# KiCad board panel.kicad_pcb (continued)
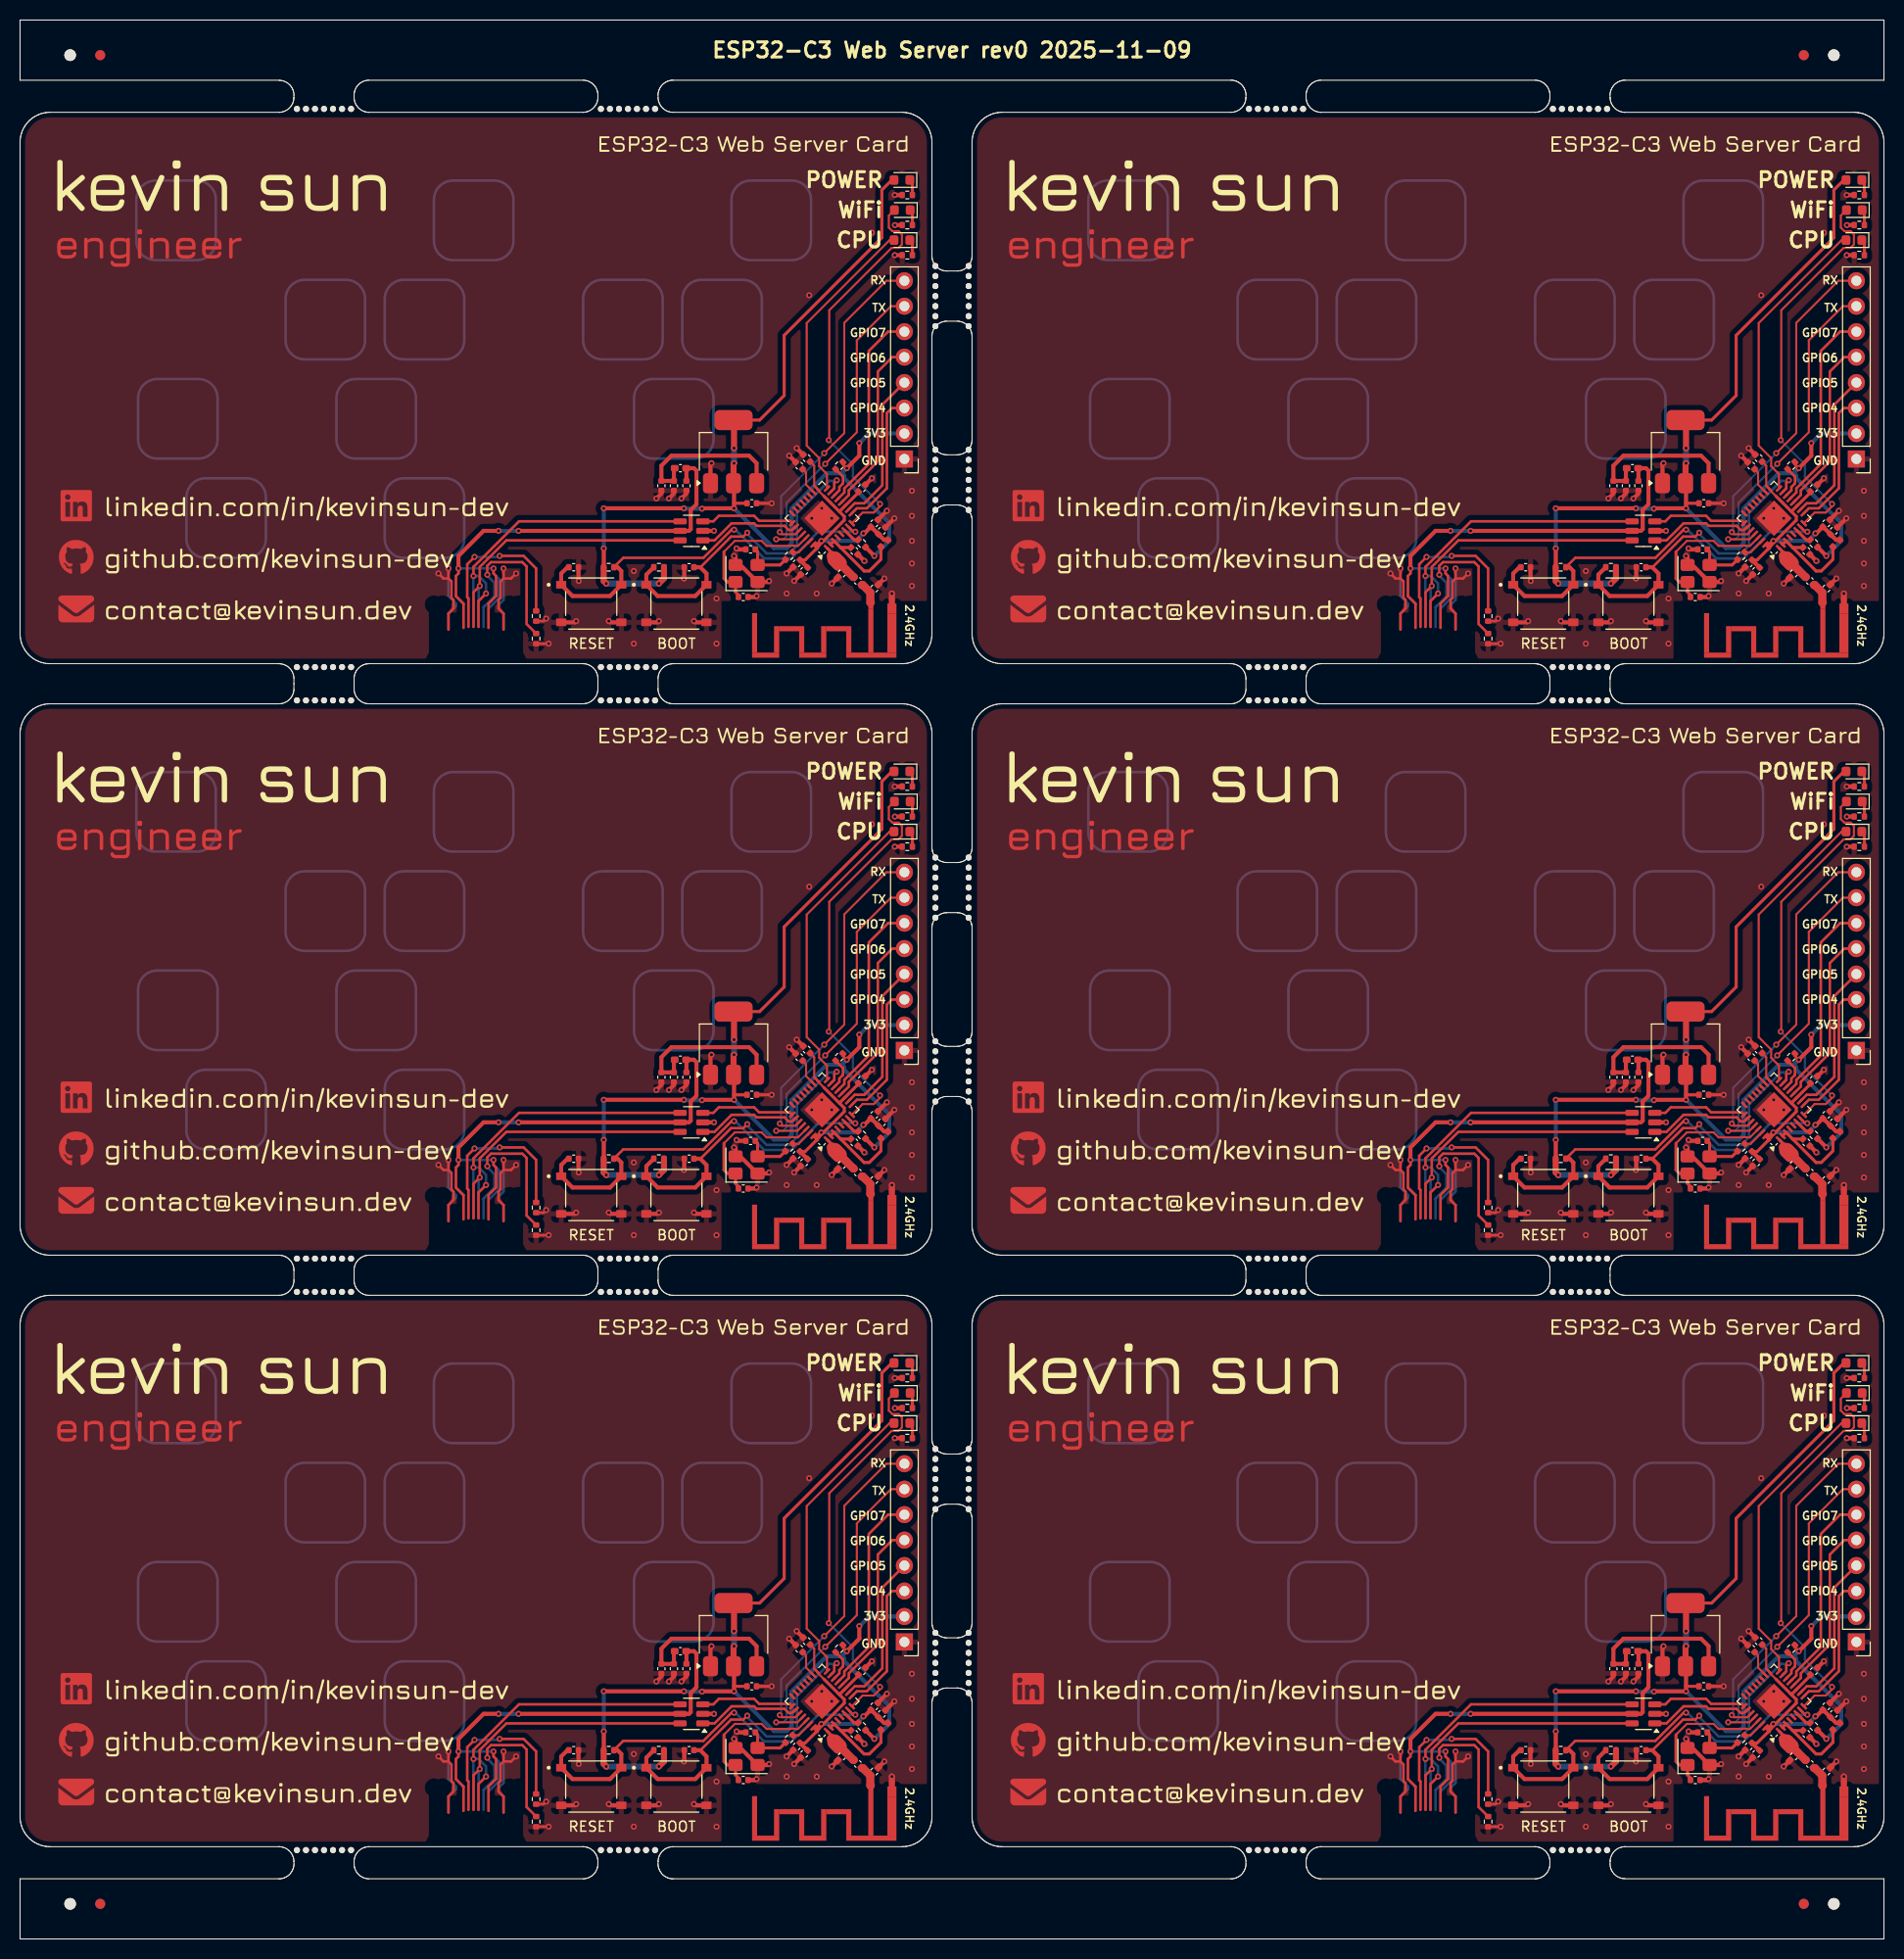
[diagram p0: board, top side]
## Placement (name value [footprint] x y rotation side) (continued)
KiKit_MB_31_7  -  [NPTH]  94.66 47.87 0 top
KiKit_MB_31_8  -  [NPTH]  94.66 48.87 0 top
KiKit_MB_32_2  -  [NPTH]  94.66 24.53 0 top
KiKit_MB_32_3  -  [NPTH]  94.66 25.53 0 top
KiKit_MB_32_4  -  [NPTH]  94.66 26.54 0 top
KiKit_MB_32_5  -  [NPTH]  94.66 27.54 0 top
KiKit_MB_32_6  -  [NPTH]  94.66 28.54 0 top
KiKit_MB_32_7  -  [NPTH]  94.66 29.54 0 top
KiKit_MB_32_8  -  [NPTH]  94.66 30.54 0 top
KiKit_MB_33_3  -  [NPTH]  122.63 64.54 0 top
KiKit_MB_33_4  -  [NPTH]  123.53 64.54 0 top
KiKit_MB_33_5  -  [NPTH]  124.43 64.54 0 top
KiKit_MB_33_6  -  [NPTH]  125.33 64.54 0 top
KiKit_MB_33_7  -  [NPTH]  126.23 64.54 0 top
KiKit_MB_33_8  -  [NPTH]  127.13 64.54 0 top
KiKit_MB_33_9  -  [NPTH]  128.03 64.54 0 top
KiKit_MB_34_3  -  [NPTH]  152.97 64.54 0 top
KiKit_MB_34_4  -  [NPTH]  153.87 64.54 0 top
KiKit_MB_34_5  -  [NPTH]  154.77 64.54 0 top
KiKit_MB_34_6  -  [NPTH]  155.67 64.54 0 top
KiKit_MB_34_7  -  [NPTH]  156.57 64.54 0 top
KiKit_MB_34_8  -  [NPTH]  157.47 64.54 0 top
KiKit_MB_34_9  -  [NPTH]  158.37 64.54 0 top
KiKit_MB_35_3  -  [NPTH]  128.03 8.86 0 top
KiKit_MB_35_4  -  [NPTH]  127.13 8.86 0 top
KiKit_MB_35_5  -  [NPTH]  126.23 8.86 0 top
KiKit_MB_35_6  -  [NPTH]  125.33 8.86 0 top
KiKit_MB_35_7  -  [NPTH]  124.43 8.86 0 top
KiKit_MB_35_8  -  [NPTH]  123.53 8.86 0 top
KiKit_MB_35_9  -  [NPTH]  122.63 8.86 0 top
KiKit_MB_36_3  -  [NPTH]  158.37 8.86 0 top
KiKit_MB_36_4  -  [NPTH]  157.47 8.86 0 top
KiKit_MB_36_5  -  [NPTH]  156.57 8.86 0 top
KiKit_MB_36_6  -  [NPTH]  155.67 8.86 0 top
KiKit_MB_36_7  -  [NPTH]  154.77 8.86 0 top
KiKit_MB_36_8  -  [NPTH]  153.87 8.86 0 top
KiKit_MB_36_9  -  [NPTH]  152.97 8.86 0 top
KiKit_TO_1  -  [NPTH#2]  5 187.9 0 top
KiKit_TO_2  -  [NPTH#2]  181 187.9 0 top
KiKit_TO_3  -  [NPTH#2]  5 3.5 0 top
KiKit_TO_4  -  [NPTH#2]  181 3.5 0 top
L1  2.4nH  [L_0402_1005Metric]  86.25 80.2 225 top
L1#2  2.4nH  [L_0402_1005Metric]  181.25 139.2 225 top
L1#3  2.4nH  [L_0402_1005Metric]  181.25 21.2 225 top
L1#4  2.4nH  [L_0402_1005Metric]  181.25 80.2 225 top
L1#5  2.4nH  [L_0402_1005Metric]  86.25 21.2 225 top
L1#6  2.4nH  [L_0402_1005Metric]  86.25 139.2 225 top
L2  2.4nH  [L_0402_1005Metric_Pad0.77x0.64mm_HandSolder]  83.6 135.45 315 top
L2#2  2.4nH  [L_0402_1005Metric_Pad0.77x0.64mm_HandSolder]  83.6 76.45 315 top
L2#3  2.4nH  [L_0402_1005Metric_Pad0.77x0.64mm_HandSolder]  83.6 17.45 315 top
L2#4  2.4nH  [L_0402_1005Metric_Pad0.77x0.64mm_HandSolder]  178.6 135.45 315 top
L2#5  2.4nH  [L_0402_1005Metric_Pad0.77x0.64mm_HandSolder]  178.6 17.45 315 top
L2#6  2.4nH  [L_0402_1005Metric_Pad0.77x0.64mm_HandSolder]  178.6 76.45 315 top
L3  2.4nH  [L_0402_1005Metric_Pad0.77x0.64mm_HandSolder]  160.9 146.7 180 top
L3#2  2.4nH  [L_0402_1005Metric_Pad0.77x0.64mm_HandSolder]  65.9 87.7 180 top
L3#3  2.4nH  [L_0402_1005Metric_Pad0.77x0.64mm_HandSolder]  65.9 146.7 180 top
L3#4  2.4nH  [L_0402_1005Metric_Pad0.77x0.64mm_HandSolder]  160.9 87.7 180 top
L3#5  2.4nH  [L_0402_1005Metric_Pad0.77x0.64mm_HandSolder]  65.9 28.7 180 top
L3#6  2.4nH  [L_0402_1005Metric_Pad0.77x0.64mm_HandSolder]  160.9 28.7 180 top
R1  5k1  [R_0402_1005Metric]  146.5 131.95 90 top
R1#2  5k1  [R_0402_1005Metric]  146.5 13.95 90 top
R1#3  5k1  [R_0402_1005Metric]  51.5 72.95 90 top
R1#4  5k1  [R_0402_1005Metric]  146.5 72.95 90 top
R1#5  5k1  [R_0402_1005Metric]  51.5 131.95 90 top
R1#6  5k1  [R_0402_1005Metric]  51.5 13.95 90 top
R2  5k1  [R_0402_1005Metric]  146.5 70.7 270 top
R2#2  5k1  [R_0402_1005Metric]  51.5 11.7 270 top
R2#3  5k1  [R_0402_1005Metric]  146.5 129.7 270 top
R2#4  5k1  [R_0402_1005Metric]  51.5 70.7 270 top
R2#5  5k1  [R_0402_1005Metric]  146.5 11.7 270 top
R2#6  5k1  [R_0402_1005Metric]  51.5 129.7 270 top
R3  5k1  [R_0402_1005Metric]  153.75 18.83 0 top
R3#2  5k1  [R_0402_1005Metric]  58.75 77.83 0 top
R3#3  5k1  [R_0402_1005Metric]  58.75 136.83 0 top
R3#4  5k1  [R_0402_1005Metric]  58.75 18.83 0 top
R3#5  5k1  [R_0402_1005Metric]  153.75 77.83 0 top
R3#6  5k1  [R_0402_1005Metric]  153.75 136.83 0 top
R4  5k1  [R_0402_1005Metric]  158.75 136.83 180 top
R4#2  5k1  [R_0402_1005Metric]  158.75 18.83 180 top
R4#3  5k1  [R_0402_1005Metric]  63.75 136.83 180 top
R4#4  5k1  [R_0402_1005Metric]  63.75 77.83 180 top
R4#5  5k1  [R_0402_1005Metric]  158.75 77.83 180 top
R4#6  5k1  [R_0402_1005Metric]  63.75 18.83 180 top
R5  1k  [R_0402_1005Metric]  76.75 137.95 225 top
R5#2  1k  [R_0402_1005Metric]  76.75 78.95 225 top
R5#3  1k  [R_0402_1005Metric]  171.75 78.95 225 top
R5#4  1k  [R_0402_1005Metric]  76.75 19.95 225 top
R5#5  1k  [R_0402_1005Metric]  171.75 137.95 225 top
R5#6  1k  [R_0402_1005Metric]  171.75 19.95 225 top
R6  5k1  [R_0402_1005Metric]  81.75 87.95 45 top
R6#2  5k1  [R_0402_1005Metric]  176.75 87.95 45 top
R6#3  5k1  [R_0402_1005Metric]  81.75 28.95 45 top
R6#4  5k1  [R_0402_1005Metric]  81.75 146.95 45 top
R6#5  5k1  [R_0402_1005Metric]  176.75 146.95 45 top
R6#6  5k1  [R_0402_1005Metric]  176.75 28.95 45 top
R7  5k1  [R_0402_1005Metric]  179 21.2 315 top
R7#2  5k1  [R_0402_1005Metric]  84 139.2 315 top
R7#3  5k1  [R_0402_1005Metric]  179 139.2 315 top
R7#4  5k1  [R_0402_1005Metric]  84 80.2 315 top
R7#5  5k1  [R_0402_1005Metric]  179 80.2 315 top
R7#6  5k1  [R_0402_1005Metric]  84 21.2 315 top
R8  1k  [R_0402_1005Metric]  183.54 173.95 180 top
R8#2  1k  [R_0402_1005Metric]  183.54 114.95 180 top
R8#3  1k  [R_0402_1005Metric]  183.54 55.95 180 top
R8#4  1k  [R_0402_1005Metric]  88.54 173.95 180 top
R8#5  1k  [R_0402_1005Metric]  88.54 55.95 180 top
R8#6  1k  [R_0402_1005Metric]  88.54 114.95 180 top
R9  1k  [R_0402_1005Metric]  88.54 111.95 180 top
R9#2  1k  [R_0402_1005Metric]  183.54 111.95 180 top
R9#3  1k  [R_0402_1005Metric]  183.54 170.95 180 top
R9#4  1k  [R_0402_1005Metric]  88.54 52.95 180 top
R9#5  1k  [R_0402_1005Metric]  88.54 170.95 180 top
R9#6  1k  [R_0402_1005Metric]  183.54 52.95 180 top
R10  1k  [R_0402_1005Metric]  88.54 167.95 180 top
R10#2  1k  [R_0402_1005Metric]  88.54 108.95 180 top
R10#3  1k  [R_0402_1005Metric]  183.54 167.95 180 top
R10#4  1k  [R_0402_1005Metric]  183.54 108.95 180 top
R10#5  1k  [R_0402_1005Metric]  88.54 49.95 180 top
R10#6  1k  [R_0402_1005Metric]  183.54 49.95 180 top
RESET  RESET  [SW_TS-1187A-B-A-B]  57 15.2 0 top
RESET#2  RESET  [SW_TS-1187A-B-A-B]  57 133.2 0 top
RESET#3  RESET  [SW_TS-1187A-B-A-B]  152 74.2 0 top
RESET#4  RESET  [SW_TS-1187A-B-A-B]  152 133.2 0 top
RESET#5  RESET  [SW_TS-1187A-B-A-B]  57 74.2 0 top
RESET#6  RESET  [SW_TS-1187A-B-A-B]  152 15.2 0 top
U1  ESP32-C3FH4  [QFN-32-1EP_5x5mm_P0.5mm_EP3.7x3.7mm]  175.03 141.71 135 top
U1#2  ESP32-C3FH4  [QFN-32-1EP_5x5mm_P0.5mm_EP3.7x3.7mm]  80.03 82.71 135 top
U1#3  ESP32-C3FH4  [QFN-32-1EP_5x5mm_P0.5mm_EP3.7x3.7mm]  175.03 82.71 135 top
U1#4  ESP32-C3FH4  [QFN-32-1EP_5x5mm_P0.5mm_EP3.7x3.7mm]  175.03 23.71 135 top
U1#5  ESP32-C3FH4  [QFN-32-1EP_5x5mm_P0.5mm_EP3.7x3.7mm]  80.03 141.71 135 top
U1#6  ESP32-C3FH4  [QFN-32-1EP_5x5mm_P0.5mm_EP3.7x3.7mm]  80.03 23.71 135 top
U3  USBLC6-2SC6  [SOT-23-6]  162 140.45 180 top
U3#2  USBLC6-2SC6  [SOT-23-6]  67 22.45 180 top
U3#3  USBLC6-2SC6  [SOT-23-6]  67 140.45 180 top
U3#4  USBLC6-2SC6  [SOT-23-6]  67 81.45 180 top
U3#5  USBLC6-2SC6  [SOT-23-6]  162 81.45 180 top
U3#6  USBLC6-2SC6  [SOT-23-6]  162 22.45 180 top
U4  AMS1117-3.3  [SOT-223-3_TabPin2]  166.2 148.35 90 top
U4#2  AMS1117-3.3  [SOT-223-3_TabPin2]  71.2 89.35 90 top
U4#3  AMS1117-3.3  [SOT-223-3_TabPin2]  166.2 30.35 90 top
U4#4  AMS1117-3.3  [SOT-223-3_TabPin2]  71.2 30.35 90 top
U4#5  AMS1117-3.3  [SOT-223-3_TabPin2]  71.2 148.35 90 top
U4#6  AMS1117-3.3  [SOT-223-3_TabPin2]  166.2 89.35 90 top
Y1  L327S400H11L  [Crystal_SMD_3225-4Pin_3.2x2.5mm]  72.5 18.2 0 top
Y1#2  L327S400H11L  [Crystal_SMD_3225-4Pin_3.2x2.5mm]  72.5 136.2 0 top
Y1#3  L327S400H11L  [Crystal_SMD_3225-4Pin_3.2x2.5mm]  167.5 77.2 0 top
Y1#4  L327S400H11L  [Crystal_SMD_3225-4Pin_3.2x2.5mm]  167.5 18.2 0 top
Y1#5  L327S400H11L  [Crystal_SMD_3225-4Pin_3.2x2.5mm]  167.5 136.2 0 top
Y1#6  L327S400H11L  [Crystal_SMD_3225-4Pin_3.2x2.5mm]  72.5 77.2 0 top

## Library data of the parts
BOOT BOOT#2-BOOT#6 RESET RESET#2-RESET#6 = -: Description: Push button switch, generic, two pins; JLCPCB: C318884
C1 C1#2-C1#6 C2 C2#2-C2#6 C5 C5#2-C5#6 C6 C6#2-C6#6 C13 C13#2-C13#6 C14 C14#2-C14#6 C17 C17#2-C17#6 C18 C18#2-C18#6 = -: Description: Unpolarized capacitor; JLCPCB: C1525
C3 C3#2-C3#6 C15 C15#2-C15#6 C16 C16#2-C16#6 = -: Description: Unpolarized capacitor; JLCPCB: C15525
C4 C4#2-C4#6 C7 C7#2-C7#6 = -: Description: Unpolarized capacitor; JLCPCB: C52923
C8 C8#2-C8#6 = -: Description: Unpolarized capacitor; JLCPCB: C15195
C11 C11#2-C11#6 C12 C12#2-C12#6 = -: Description: Unpolarized capacitor; JLCPCB: C1552
D1 D1#2-D1#6 = -: Description: Light emitting diode; Sim.Pins: 1=K 2=A; JLCPCB: C2286
D2 D2#2-D2#6 = -: Description: Light emitting diode; Sim.Pins: 1=K 2=A; JLCPCB: C2290
D3 D3#2-D3#6 = -: Description: Light emitting diode; Sim.Pins: 1=K 2=A; JLCPCB: C89811
J2 J2#2-J2#6 = -: Description: Generic connector, single row, 01x08, script generated
L1 L1#2-L1#6 L2 L2#2-L2#6 L3 L3#2-L3#6 = -: Description: Inductor; JLCPCB: C97997
R1 R1#2-R1#6 R2 R2#2-R2#6 R3 R3#2-R3#6 R4 R4#2-R4#6 R6 R6#2-R6#6 R7 R7#2-R7#6 = -: Description: Resistor; JLCPCB: C25905
R5 R5#2-R5#6 R8 R8#2-R8#6 R9 R9#2-R9#6 R10 R10#2-R10#6 = -: JLCPCB: C11702
U1 U1#2-U1#6 = -: Datasheet: https://www.espressif.com/sites/default/files/documentation/esp32-c3_datasheet_en.pdf; Description: RF Module, ESP32 SoC, RISC-V, WiFi 802.11b/n/g, Bluetooth LE 5, QFN32; JLCPCB: C2858491
U3 U3#2-U3#6 = -: Datasheet: https://www.st.com/resource/en/datasheet/usblc6-2.pdf; Description: Very low capacitance ESD protection diode, 2 data-line, SOT-23-6; JLCPCB: C2687116
U4 U4#2-U4#6 = -: Datasheet: http://www.advanced-monolithic.com/pdf/ds1117.pdf; Description: 1A Low Dropout regulator, positive, 3.3V fixed output, SOT-223; JLCPCB: C6186
Y1 Y1#2-Y1#6 = -: Description: 40MHz Crystal Oscillator; JLCPCB: C5261245

## Footprints (pads in the part's own frame, mm; a bottom-side part is the same pattern mirrored in y, then rotated)
C_0402_1005Metric
  rrect 0.56x0.62 smd: 1(-0.48,0) 2(0.48,0)
C_0402_1005Metric_Pad0.74x0.62mm_HandSolder
  rrect 0.735x0.62 smd: 1(-0.568,0) 2(0.568,0)
Crystal_SMD_3225-4Pin_3.2x2.5mm
  rrect 1.4x1.2 smd: 1(-1.1,-0.85) 2(1.1,-0.85) 3(1.1,0.85) 4(-1.1,0.85)
Fiducial
  round 1 smd: (0,0)
L_0402_1005Metric
  rrect 0.59x0.64 smd: 1(-0.485,0) 2(0.485,0)
L_0402_1005Metric_Pad0.77x0.64mm_HandSolder
  rrect 0.765x0.64 smd: 1(-0.573,0) 2(0.573,0)
LED_0603_1608Metric
  rrect 0.875x0.95 smd: 1(-0.787,0) 2(0.787,0)
NPTH
  round 0.6 hole 0.6 unplated: (0,0)
NPTH#2
  round 1.152 hole 1.152 unplated: (0,0)
pcb-antenna
  rect 0.5x0.5 smd: 1(2.1,0)
  rect 0.9x1 smd: 2(0,0.25)
PinHeader_1x08_P2.54mm_Vertical
  rect 1.7x1.7 hole 1: 1(0,0)
  round 1.7 hole 1: 2(0,-2.54) 3(0,-5.08) 4(0,-7.62) 5(0,-10.16) 6(0,-12.7) 7(0,-15.24) 8(0,-17.78)
QFN-32-1EP_5x5mm_P0.5mm_EP3.7x3.7mm
  rrect 1.2x1.2 smd: (-0.615,-0.615) (-0.571,0.571) (0.642,0.642) (0.642,-0.642)
  rrect 0.8x0.25 smd: 1(-2.45,1.75) 2(-2.45,1.25) 3(-2.45,0.75) 4(-2.45,0.25) 5(-2.45,-0.25) 6(-2.45,-0.75) 7(-2.45,-1.25) 8(-2.45,-1.75) 17(2.45,-1.75) 18(2.45,-1.25) 19(2.45,-0.75) 20(2.45,-0.25) 21(2.45,0.25) 22(2.45,0.75) 23(2.45,1.25) 24(2.45,1.75)
  rrect 0.25x0.8 smd: 9(-1.75,-2.45) 10(-1.25,-2.45) 11(-0.75,-2.45) 12(-0.25,-2.45) 13(0.25,-2.45) 14(0.75,-2.45) 15(1.25,-2.45) 16(1.75,-2.45) 25(1.75,2.45) 26(1.25,2.45) 27(0.75,2.45) 28(0.25,2.45) 29(-0.25,2.45) 30(-0.75,2.45) 31(-1.25,2.45) 32(-1.75,2.45)
  rect 2.5x2.5 smd: 33(0,0)
R_0402_1005Metric
  rrect 0.54x0.64 smd: 1(-0.51,0) 2(0.51,0)
SOT-23-6
  rrect 1.325x0.6 smd: 1(-1.137,0.95) 2(-1.137,0) 3(-1.137,-0.95) 4(1.137,-0.95) 5(1.137,0) 6(1.137,0.95)
SOT-223-3_TabPin2
  rrect 2x1.5 smd: 1(-3.15,2.3) 2(-3.15,0) 3(-3.15,-2.3)
  rrect 2x3.8 smd: 2(3.15,0)
SW_TS-1187A-B-A-B
  rect 1x0.75 smd: 1(-3,1.875) 1(3,1.875) 2(-3,-1.875) 2(3,-1.875)

## Nets
Board_1-/VBUS: C13#2.1 L3.1 U3.5
Board_1-/VDD_SPI: U1.18
Board_2-/VBUS: C13.1
Board_2-/VDD_SPI: C4.1 U1#2.18
Board_3-/VDD_SPI: U1#3.18
Board_4-/VBUS: C13#4.1 L3#5.1 U3#2.5
Board_4-/VDD_SPI: C4#3.1 U1#6.18
Board_5-/VBUS: C13#3.1 L3#6.1 U3#6.5
Board_5-/VDD_SPI: C4#6.1 U1#4.18
Board_0-/XTAL_P: R5.1
Board_0-GND: C7.2 C17.2 C18#2.2
Board_0-Net-(C10-Pad1): R5.2
Board_1-+3V3: C16.1 R4.1
Board_1-/BOOTSEL: R4.2
Board_1-/CHIP_EN: U1.7
Board_1-/GP2: U1.6
Board_1-/GP8: U1.14
Board_1-/LED_A: U1.8
Board_1-/LED_B: D3.2 U1.16
Board_1-/LNA_IN: U1.1
Board_1-/MTCK: U1.12
Board_1-/MTDI: U1.10
Board_1-/MTDO: U1.13
Board_1-/MTMS: U1.9
Board_1-/SPICS0: U1.21
Board_1-/U0RXD: U1.27
Board_1-/U0TXD: U1.28
Board_1-/USB_DN: U1.25
Board_1-/USB_DP: U1.26
Board_1-/XTAL_N: U1.29
Board_1-/XTAL_P: U1.30
Board_1-GND: 2.4GHz.2 C1.2 C16.2 R1.1 R8.2 U1.33
Board_1-Net-(AE1-FEED): 2.4GHz.1
Board_1-Net-(C1-Pad1): C1.1 L1#2.2 U1.2 U1.3
Board_1-Net-(D1-K): R8.1
Board_1-Net-(D3-K): D3.1
Board_1-Net-(J1-CC1): R1.2
Board_1-Net-(U1-SPICLK): U1.22
Board_1-Net-(U1-SPID): U1.23
Board_1-Net-(U1-SPIHD): U1.19
Board_1-Net-(U1-SPIQ): U1.24
Board_1-Net-(U1-SPIWP): U1.20
Board_1-Net-(U4-VI): L3.2
Board_1-unconnected-(U1-XTAL_32K_N-Pad5): U1.5
Board_1-unconnected-(U1-XTAL_32K_P-Pad4): U1.4
Board_2-+3.3V: L1.1 U1#2.11 U1#2.17
Board_2-+3V3: R6.2
Board_2-/BOOTSEL: BOOT.1 C18.1 U1#2.15
Board_2-/CHIP_EN: U1#2.7
Board_2-/GP2: U1#2.6
Board_2-/GP8: R6.1 U1#2.14
Board_2-/LED_A: U1#2.8
Board_2-/LED_B: U1#2.16
Board_2-/LNA_IN: U1#2.1
Board_2-/MTCK: U1#2.12
Board_2-/MTDI: U1#2.10
Board_2-/MTDO: U1#2.13
Board_2-/MTMS: U1#2.9
Board_2-/SPICS0: U1#2.21
Board_2-/U0RXD: U1#2.27
Board_2-/U0TXD: U1#2.28
Board_2-/USB_DN: U1#2.25
Board_2-/USB_DP: U1#2.26
Board_2-/XTAL_N: U1#2.29
Board_2-/XTAL_P: R5#2.1 U1#2.30
Board_2-GND: BOOT.2 C1#2.2 C3#2.2 C4.2 C13.2 C18.2 R9.2 U1#2.33 U4#2.1
Board_2-Net-(C1-Pad1): C1#2.1 L1.2 U1#2.2 U1#2.3
Board_2-Net-(C10-Pad1): R5#2.2
Board_2-Net-(D2-K): R9.1
Board_2-Net-(U1-SPICLK): U1#2.22
Board_2-Net-(U1-SPID): U1#2.23
Board_2-Net-(U1-SPIHD): U1#2.19
Board_2-Net-(U1-SPIQ): U1#2.24
Board_2-Net-(U1-SPIWP): U1#2.20
Board_2-Net-(U4-VI): U4#2.3
Board_2-unconnected-(U1-XTAL_32K_N-Pad5): U1#2.5
Board_2-unconnected-(U1-XTAL_32K_P-Pad4): U1#2.4
Board_3-+3.3V: C3#3.1 U1#3.11 U1#3.17
Board_3-+3V3: D1.2 J2.2
Board_3-/BOOTSEL: U1#3.15
Board_3-/CHIP_EN: C17#3.1 U1#3.7
Board_3-/GP2: U1#3.6
Board_3-/GP8: U1#3.14
Board_3-/LED_A: U1#3.8
Board_3-/LED_B: U1#3.16
Board_3-/LNA_IN: C12#2.1 U1#3.1
Board_3-/MTCK: J2.5 U1#3.12
Board_3-/MTDI: J2.4 U1#3.10
Board_3-/MTDO: J2.6 U1#3.13
Board_3-/MTMS: J2.3 U1#3.9
Board_3-/SPICS0: U1#3.21
Board_3-/U0RXD: J2.8 U1#3.27
Board_3-/U0TXD: J2.7 U1#3.28
Board_3-/USB_DN: U1#3.25
Board_3-/USB_DP: U1#3.26
Board_3-/XTAL_N: U1#3.29 Y1#3.1
Board_3-/XTAL_P: R5#3.1 U1#3.30
Board_3-GND: C1#4.2 C2#2.2 C3#3.2 C8.2 C9.2 C11#4.2 C12#2.2 C14#2.2 C15.2 C16#3.2 C17#3.2 J2.1 R2.2 R8#2.2 R9#2.2 RESET#3.2 U1#3.33 Y1#3.2 Y1#3.4
Board_3-Net-(AE1-FEED): C11#4.1
Board_3-Net-(C1-Pad1): C1#4.1 L1#4.2 U1#3.2 U1#3.3
Board_3-Net-(C10-Pad1): R5#3.2 Y1#3.3
Board_3-Net-(D1-K): D1.1 R8#2.1
Board_3-Net-(D2-K): R9#2.1
Board_3-Net-(J1-CC2): R2.1
Board_3-Net-(J1-D--PadA7): U3#5.4
Board_3-Net-(U1-SPICLK): U1#3.22
Board_3-Net-(U1-SPID): U1#3.23
Board_3-Net-(U1-SPIHD): U1#3.19
Board_3-Net-(U1-SPIQ): U1#3.24
Board_3-Net-(U1-SPIWP): U1#3.20
Board_3-Net-(U4-VI): C14#2.1 C15.1
Board_3-unconnected-(U1-XTAL_32K_N-Pad5): U1#3.5
Board_3-unconnected-(U1-XTAL_32K_P-Pad4): U1#3.4
Board_4-+3.3V: C3.1 C7#4.1 L1#5.1
Board_4-+3V3: D1#5.2 J2#5.2 R6#3.2 U4#4.2
Board_4-/BOOTSEL: BOOT#2.1 C18#4.1
Board_4-/CHIP_EN: RESET.1
Board_4-/GP8: R6#3.1
Board_4-/LNA_IN: C12.1 L2#3.1
Board_4-/MTCK: J2#5.5
Board_4-/MTDI: J2#5.4
Board_4-/MTDO: J2#5.6
Board_4-/MTMS: J2#5.3
Board_4-/U0RXD: J2#5.8
Board_4-/U0TXD: J2#5.7
Board_4-/USB_DN: U3#2.3
Board_4-/USB_DP: U3#2.1
Board_4-/XTAL_N: Y1.1
Board_4-/XTAL_P: R5#4.1
Board_4-GND: 2.4GHz#4.2 BOOT#2.2 C1#6.2 C2#6.2 C3.2 C4#3.2 C5#4.2 C7#4.2 C8#3.2 C10#3.2 C11#3.2 C12.2 C13#4.2 C14#4.2 C15#6.2 C16#4.2 C18#4.2 J2#5.1 R1#6.1 R2#2.2 R8#5.2 R9#4.2 R10#5.2 RESET.2 U1#6.33 U3#2.2 U4#4.1 Y1.2 Y1.4
Board_4-Net-(AE1-FEED): 2.4GHz#4.1 C11#3.1 L2#3.2
Board_4-Net-(C1-Pad1): C1#6.1 L1#5.2 U1#6.2 U1#6.3
Board_4-Net-(C10-Pad1): C10#3.1 R5#4.2 Y1.3
Board_4-Net-(D1-K): D1#5.1 R8#5.1
Board_4-Net-(D2-K): D2#4.1 R9#4.1
Board_4-Net-(D3-K): D3#3.1 R10#5.1
Board_4-Net-(J1-CC1): R1#6.2
Board_4-Net-(J1-CC2): R2#2.1
Board_4-Net-(J1-D+-PadA6): U3#2.6
Board_4-Net-(J1-D--PadA7): U3#2.4
Board_4-Net-(U1-SPICLK): U1#6.22
Board_4-Net-(U1-SPID): U1#6.23
Board_4-Net-(U1-SPIHD): U1#6.19
Board_4-Net-(U1-SPIQ): U1#6.24
Board_4-Net-(U1-SPIWP): U1#6.20
Board_4-Net-(U4-VI): C14#4.1 C15#6.1 L3#5.2 U4#4.3
Board_4-unconnected-(U1-XTAL_32K_N-Pad5): U1#6.5
Board_4-unconnected-(U1-XTAL_32K_P-Pad4): U1#6.4
Board_5-+3.3V: C2#5.1 C3#4.1 C5#3.1 C6#2.1 C7#2.1 C8#6.1 L1#3.1 U1#4.11 U1#4.17 U1#4.31 U1#4.32
Board_5-+3V3: C16#6.1 D1#4.2 J2#4.2 R3.1 R4#2.1 R6#6.2 R7.2 U4#3.2
Board_5-/BOOTSEL: BOOT#3.1 C18#5.1 R4#2.2 U1#4.15
Board_5-/CHIP_EN: C17#5.1 R3.2 RESET#6.1 U1#4.7
Board_5-/GP2: R7.1 U1#4.6
Board_5-/GP8: R6#6.1 U1#4.14
Board_5-/LED_A: D2#5.2 U1#4.8
Board_5-/LED_B: D3#4.2 U1#4.16
Board_5-/LNA_IN: C12#6.1 L2#5.1 U1#4.1
Board_5-/MTCK: J2#4.5 U1#4.12
Board_5-/MTDI: J2#4.4 U1#4.10
Board_5-/MTDO: J2#4.6 U1#4.13
Board_5-/MTMS: J2#4.3 U1#4.9
Board_5-/SPICS0: U1#4.21
Board_5-/U0RXD: J2#4.8 U1#4.27
Board_5-/U0TXD: J2#4.7 U1#4.28
Board_5-/USB_DN: U1#4.25 U3#6.3
Board_5-/USB_DP: U1#4.26 U3#6.1
Board_5-/XTAL_N: C9#3.1 U1#4.29 Y1#4.1
Board_5-/XTAL_P: R5#6.1 U1#4.30
Board_5-GND: 2.4GHz#6.2 BOOT#3.2 C1#3.2 C2#5.2 C3#4.2 C4#6.2 C5#3.2 C6#2.2 C7#2.2 C8#6.2 C9#3.2 C10#6.2 C11.2 C12#6.2 C13#3.2 C14#5.2 C15#5.2 C16#6.2 C17#5.2 C18#5.2 J2#4.1 R1#2.1 R2#5.2 R8#3.2 R9#6.2 R10#6.2 RESET#6.2 U1#4.33 U3#6.2 U4#3.1 Y1#4.2 Y1#4.4
Board_5-Net-(AE1-FEED): 2.4GHz#6.1 C11.1 L2#5.2
Board_5-Net-(C1-Pad1): C1#3.1 L1#3.2 U1#4.2 U1#4.3
Board_5-Net-(C10-Pad1): C10#6.1 R5#6.2 Y1#4.3
Board_5-Net-(D1-K): D1#4.1 R8#3.1
Board_5-Net-(D2-K): D2#5.1 R9#6.1
Board_5-Net-(D3-K): D3#4.1 R10#6.1
Board_5-Net-(J1-CC1): R1#2.2
Board_5-Net-(J1-CC2): R2#5.1
Board_5-Net-(J1-D+-PadA6): U3#6.6
Board_5-Net-(J1-D--PadA7): U3#6.4
Board_5-Net-(U1-SPICLK): U1#4.22
Board_5-Net-(U1-SPID): U1#4.23
Board_5-Net-(U1-SPIHD): U1#4.19
Board_5-Net-(U1-SPIQ): U1#4.24
Board_5-Net-(U1-SPIWP): U1#4.20
Board_5-Net-(U4-VI): C14#5.1 C15#5.1 L3#6.2 U4#3.3
Board_5-unconnected-(U1-XTAL_32K_N-Pad5): U1#4.5
Board_5-unconnected-(U1-XTAL_32K_P-Pad4): U1#4.4

Pads without a net: 2.4GHz#2 1 2; 2.4GHz#3 1 2; 2.4GHz#5 1 2; BOOT#4 1 2; BOOT#5 1 2; BOOT#6 1 2; C1#5 1 2; C2 1 2; C2#2 1; C2#3 1 2; C2#4 1 2; C2#6 1; C3#2 1; C3#5 1 2; C3#6 1 2; C4#2 1 2; C4#4 1 2; C4#5 1 2; C5 1 2; C5#2 1 2; C5#4 1; C5#5 1 2; C5#6 1 2; C6 1 2; C6#3 1 2; C6#4 1 2; C6#5 1 2; C6#6 1 2; C7 1; C7#3 1 2; C7#5 1 2; C7#6 1 2; C8 1; C8#2 1 2; C8#3 1; C8#4 1 2; C8#5 1 2; C9 1; C9#2 1 2; C9#4 1 2; C9#5 1 2; C9#6 1 2; C10 1 2; C10#2 1 2; C10#4 1 2; C10#5 1 2; C11#2 1 2; C11#5 1 2; C11#6 1 2; C12#3 1 2; C12#4 1 2; C12#5 1 2; C13#2 2; C13#5 1 2; C13#6 1 2; C14 1 2; C14#3 1 2; C14#6 1 2; C15#2 1 2; C15#3 1 2; C15#4 1 2; C16#2 1 2; C16#3 1; C16#4 1; C16#5 1 2; C17 1; C17#2 1 2; C17#4 1 2; C17#6 1 2; C18#2 1; C18#3 1 2; C18#6 1 2; D1#2 1 2; D1#3 1 2; D1#6 1 2; D2 1 2; D2#2 1 2; D2#3 1 2; D2#4 2; D2#6 1 2; D3#2 1 2; D3#3 2; D3#5 1 2; D3#6 1 2; J2#2 1 2 3 4 5 6 7 8; J2#3 1 2 3 4 5 6 7 8; J2#6 1 2 3 4 5 6 7 8; L1#2 1; L1#4 1; L1#6 1 2; L2 1 2; L2#2 1 2; L2#4 1 2; L2#6 1 2; L3#2 1 2; L3#3 1 2; L3#4 1 2; R1#3 1 2; R1#4 1 2; R1#5 1 2; R2#3 1 2; R2#4 1 2; R2#6 1 2; R3#2 1 2; R3#3 1 2; R3#4 1 2; R3#5 1 2; R3#6 1 2; R4#3 1 2; R4#4 1 2; R4#5 1 2; R4#6 1 2; R5#5 1 2; R6#2 1 2; R6#4 1 2; R6#5 1 2; R7#2 1 2; R7#3 1 2; R7#4 1 2; R7#5 1 2; R7#6 1 2; R8#4 1 2; R8#6 1 2; R9#3 1 2; R9#5 1 2; R10 1 2; R10#2 1 2; R10#3 1 2; R10#4 1 2; RESET#2 1 2; RESET#3 1; RESET#4 1 2; RESET#5 1 2; U1 11 15 17 31 32; U1#2 31 32; U1#3 31 32; U1#5 1 2 3 4 5 6 7 8 9 10 11 12 13 14 15 16 17 18 19 20 21 22 23 24 25 26 27 28 29 30 31 32 33; U1#6 1 6 7 8 9 10 11 12 13 14 15 16 17 21 25 26 27 28 29 30 31 32; U3 1 2 3 4 6; U3#3 1 2 3 4 5 6; U3#4 1 2 3 4 5 6; U3#5 1 2 3 5 6; U4 1 2 3; U4#2 2; U4#5 1 2 3; U4#6 1 2 3; Y1#2 1 2 3 4; Y1#5 1 2 3 4; Y1#6 1 2 3 4

## Via types
v1: diameter 0.6, hole 0.3, Top to Bottom, 516 vias

## Routing (per net, layer and track width the routed paths; a pad name or vN(x,y) marks a point on that pad's centre or on a via; arc(x,y) is an arc through that point)
Board_1-/VBUS: length 63.1
  Top w0.25: v1(142.25,136.7) 142.25,136.2 142.5,135.95 142.5,133.95 141.75,133.2 141.75,130.78 ; v1(138.75,136.7) 138.75,136.2 138.5,135.95 138.5,133.95 139.25,133.2 139.25,130.78
  Top w0.4: C13#2.1 161.5,146.67 L3.1 ; L3.1 161.47,146.74 ; L3.1 162.25,146.7 162.5,146.45 162.5,143.1 161.93,142.53 161.93,140.63 161.75,140.45 U3.5 v1(144.75,140.45) ; v1(142.75,140.45) 141.25,140.45 138.75,137.95 v1(138.75,136.7)
  Bottom w0.25: 139.25,130.78 139.25,133.15 138.5,133.9 138.5,135.95 138.75,136.2 v1(138.75,136.7) v1(142.25,136.7) 142.25,136.2 142.8,135.65 142.8,133.75 141.75,132.7 141.75,130.78
  Bottom w0.4: v1(142.75,140.45) v1(144.75,140.45)
Board_1-/VDD_SPI: length 2.7
  Top w0.2: U1.18 173.44,145.07 173.44,146.26 173.09,146.61
Board_2-/VBUS: length 81.4
  Top w0.25: v1(47.86,137.95) 50.25,137.95 51.5,136.7 51.5,132.46 ; v1(47.25,77.7) 47.25,77.2 47.5,76.95 47.5,74.95 46.75,74.2 46.75,71.78 ; 44.25,71.78 44.25,74.2 43.5,74.95 43.5,76.95 43.75,77.2 v1(43.75,77.7) ; v1(45.35,137.85) 44.62,137.12 44.62,133.83 44.75,133.7 44.75,130.88
  Top w0.4: 66.47,87.7 67.25,87.7 67.5,87.45 67.5,84.1 66.93,83.53 66.93,81.63 66.75,81.45 65.86,81.45 v1(49.75,81.45) ; 66.47,87.7 66.47,87.74 ; 66.47,87.7 66.5,87.67 C13.1 ; v1(47.75,81.45) 46.25,81.45 43.75,78.95 v1(43.75,77.7)
  Bottom w0.25: 46.75,71.78 46.75,73.7 47.8,74.75 47.8,76.65 47.25,77.2 v1(47.25,77.7) v1(43.75,77.7) 43.75,77.2 43.5,76.95 43.5,74.9 44.25,74.15 44.25,71.78 ; v1(47.86,137.95) 47.76,137.85 v1(45.35,137.85)
  Bottom w0.4: v1(47.75,81.45) v1(49.75,81.45)
Board_2-/VDD_SPI: length 11.9
  Top w0.2: C4.1 78.44,87.26 78.44,86.07 U1#2.18
  Top w0.3: 81.89,138.79 84.22,136.45 84.75,136.45 85.91,137.61 85.91,138.86 ; 81.89,138.79 81.23,139.44 80.88,139.09 ; 81.89,138.79 82.91,138.79
Board_3-/VDD_SPI: length 2.7
  Top w0.2: U1#3.18 173.44,86.07 173.44,87.26 173.09,87.61
Board_4-/VBUS: length 63.1
  Top w0.25: 46.75,12.78 46.75,15.2 47.5,15.95 47.5,17.95 47.25,18.2 v1(47.25,18.7) ; 44.25,12.78 44.25,15.2 43.5,15.95 43.5,17.95 43.75,18.2 v1(43.75,18.7)
  Top w0.4: v1(43.75,18.7) 43.75,19.95 46.25,22.45 v1(47.75,22.45) ; L3#5.1 66.5,28.67 C13#4.1 ; L3#5.1 67.25,28.7 67.5,28.45 67.5,25.1 66.93,24.53 66.93,22.63 66.75,22.45 U3#2.5 v1(49.75,22.45) ; L3#5.1 66.47,28.74
  Bottom w0.25: 44.25,12.78 44.25,15.15 43.5,15.9 43.5,17.95 43.75,18.2 v1(43.75,18.7) v1(47.25,18.7) 47.25,18.2 47.8,17.65 47.8,15.75 46.75,14.7 46.75,12.78
  Bottom w0.4: v1(47.75,22.45) v1(49.75,22.45)
Board_4-/VDD_SPI: length 2.7
  Top w0.2: U1#6.18 78.44,27.07 78.44,28.26 C4#3.1
Board_5-/VBUS: length 63.1
  Top w0.25: 139.25,12.78 139.25,15.2 138.5,15.95 138.5,17.95 138.75,18.2 v1(138.75,18.7) ; 141.75,12.78 141.75,15.2 142.5,15.95 142.5,17.95 142.25,18.2 v1(142.25,18.7)
  Top w0.4: L3#6.1 161.47,28.74 ; L3#6.1 162.25,28.7 162.5,28.45 162.5,25.1 161.93,24.53 161.93,22.63 161.75,22.45 U3#6.5 v1(144.75,22.45) ; L3#6.1 161.5,28.67 C13#3.1 ; v1(138.75,18.7) 138.75,19.95 141.25,22.45 v1(142.75,22.45)
  Bottom w0.25: 141.75,12.78 141.75,14.7 142.8,15.75 142.8,17.65 142.25,18.2 v1(142.25,18.7) v1(138.75,18.7) 138.75,18.2 138.5,17.95 138.5,15.9 139.25,15.15 139.25,12.78
  Bottom w0.4: v1(142.75,22.45) v1(144.75,22.45)
Board_5-/VDD_SPI: length 2.7
  Top w0.2: U1#4.18 173.44,27.07 173.44,28.26 C4#6.1
(no net): length 28.9
  Top w0.25: 137.75,17.7 137.25,17.7 v1(136.75,18.2) ; 137.75,17.7 138.05,17.4 138.05,15.77 138.25,15.56 138.25,14.7 137.75,14.2 137.75,12.6 ; 137.75,17.7 v1(137.75,18.7) ; 143.25,17.7 142.95,17.4 142.95,15.77 142.75,15.56 142.75,14.7 143.25,14.2 143.25,12.6 ; 143.25,17.7 144,17.7 v1(144.5,18.2) ; 143.25,17.7 v1(143.25,18.7)
  Bottom w0.25: v1(143.25,18.7) 143.25,15.56 142.75,15.06 142.75,14.7 143.25,14.2 143.25,12.6 ; 137.75,12.6 137.75,12.6 137.75,14.2 138.5,14.95 138.5,15.2 137.75,15.95 v1(137.75,18.7)
  vias: v1(156.25,18.45) v1(156.25,11.2) v1(164.5,15.7) v1(164.5,11.2) v1(171.5,16.2) v1(173.75,45.95) v1(174.5,16.2) v1(180,52.2) v1(184,26.45) v1(184,23.95) v1(184,21.45) v1(184,19.2) v1(184,16.95)
Board_0-/XTAL_P: length 20
  Top w0.2: 78.83,139.44 77.7,138.31 R5.1
  Top w0.25: 81.94,143.26 82.71,144.03 82.71,144.5 85.6,147.39 85.6,156.34 87.04,157.78 88.25,157.78
Board_0-GND: length 38.1
  Top w0.25: v1(72.57,140.27) 72.18,139.88 70.95,139.88 67.9,136.83 67.25,136.83 ; 80.88,144.32 81.25,144.7 81.25,145.26 v1(81.5,145.5)
  Top w0.4: 63.24,136.83 62.5,136.09 62.5,135.08 63.62,133.95 67.38,133.95 68.5,135.08 68.5,136.2 67.88,136.83 67.25,136.83 ; C7.2 v1(76.5,136.2) ; C17.2 55.73,135.47 v1(55.75,135.45) ; C18#2.2 66.29,135.74 v1(66.25,135.7)
  Bottom w0.25: v1(72.57,140.27) 72.57,140.14 74.5,138.2 76.74,138.2 77.53,138.99 77.53,142.23 80.73,145.44 81.43,145.44 v1(81.5,145.5)
Board_0-Net-(C10-Pad1): length 20.2
  Top w0.25: 88.25,155.24 86.05,153.04 86.05,145 84.25,143.2 83.29,143.2 82.65,142.56
  Top w0.3: R5.2 75.85,137.05 73.6,137.05 73.6,138.38 73.38,138.6
Board_1-+3V3: length 138.7
  Top w0.2: 87.21,169.45 86.78,169.45 78.5,161.18 78.5,148.95 79.75,147.7 79.75,146.89 80.53,146.11 80.53,144.68
  Top w0.25: 177.11,147.31 177.11,147.09 v1(177.5,146.7)
  Top w0.3: 166.2,151.5 168.8,151.5 171.25,153.95 171.25,159.95 181,169.7 181,174.45 182,175.45 182.21,175.45 ; C16.1 166.25,143.2
  Top w0.4: v1(163.05,142.66) 163.09,142.7 v1(166.25,142.7) 166.25,145.15 166.2,145.2 ; v1(153.25,138.7) 153.25,136.84 153.24,136.83 ; v1(177.5,146.7) 178.75,147.95 v1(178.75,149.2) ; v1(161.25,142.7) v1(153.25,142.7) ; 179.36,138.84 v1(180.25,137.95)
  Top w0.6: v1(158.75,135.2) 159.26,135.71 R4.1 ; v1(153.5,135.2) 153.24,135.46 153.24,136.83 ; 166.2,145.2 166.2,147.15 v1(166.25,147.2) ; 166.2,151.5 166.25,151.45 v1(166.25,148.7)
  Bottom w0.25: 177.12,146.33 177.12,146.08
  Bottom w0.4: v1(166.25,142.7) 170.22,138.73 171.53,138.73 172,139.2 172,142.7 175.5,146.2 176.21,146.2 176.21,146.2 176.79,146.2 176.79,146.2 177,146.2 177.25,145.95 177.25,145.7 181.75,141.2 181.75,139.45 v1(180.25,137.95) ; v1(177.5,146.7) 177.12,146.33 ; v1(153.25,142.7) v1(153.25,138.7) ; v1(178.75,149.2) 178.77,149.2 179.73,150.16 183.25,150.16 ; v1(163.05,142.66) 161.29,142.66 v1(161.25,142.7)
  Bottom w0.6: v1(153.5,135.2) v1(158.75,135.2) ; v1(166.25,147.2) v1(166.25,148.7)
Board_1-/BOOTSEL: length 38.6
  Top w0.25: v1(176.5,145.5) 176.25,145.26 176.25,144.7 175.88,144.32 ; v1(167.57,140.27) 167.18,139.88 165.95,139.88 162.9,136.83 162.25,136.83
  Top w0.3: 81,137.95 81,138.26 80.53,138.74
  Top w0.4: 162.25,136.83 162.88,136.83 163.5,136.2 163.5,135.08 162.38,133.95 158.62,133.95 157.5,135.08 157.5,136.09 R4.2
  Top w0.8: 83.2,135.86 83.15,135.86 82.4,136.6 81.8,137.2
  Top w1: 81.3,137.65 81,137.95
  Top w1.5: 81.3,137.65 81.75,137.2
  Bottom w0.25: v1(167.57,140.27) 167.57,140.14 169.5,138.2 171.74,138.2 172.53,138.99 172.53,142.23 175.73,145.44 176.43,145.44 v1(176.5,145.5)
Board_1-/CHIP_EN: length 56.9
  Top w0.25: v1(166.25,140.57) 166.01,140.57 163.19,137.76 155.19,137.76 154.26,136.83 ; U1.7 178.14,140.36 v1(178.35,140.36)
  Top w0.4: 73.75,145.45 73.5,145.2 73.5,147.2 72.75,147.95 65,147.95 64,146.95 64,145.43 65.25,145.43 65.25,146.62 65.33,146.7 ; 73.5,144.41 73.54,144.45 ; 154.26,136.83 154.62,136.83 155,136.45 155,135.08 153.88,133.95 150.12,133.95 149,135.08 149,136.2 149.62,136.83 149.77,136.83
  Bottom w0.25: v1(178.35,140.36) 174.66,140.36 172,137.7 169.25,137.7 166.38,140.57 v1(166.25,140.57)
Board_1-/GP2: length 1.7
  Top w0.3: U1.6 178.24,139.56 178.64,139.56
Board_1-/GP8: length 3.3
  Top w0.25: 176.39,146.59 177.13,145.85 177.13,145.19 176.76,144.82 176.76,144.5 U1.14 176.27,143.97
Board_1-/LED_A: length 39.8
  Top w0.2: v1(180.82,143.14) 180.82,142.9 180.19,142.28 179.07,142.28 178.01,141.21 U1.8 ; 182.25,172.45 181.7,171.9 181.7,170.7 182.05,170.35 182.69,170.35 183,170.04 183,169.02 182.65,168.68 181.97,168.68 175.75,162.45 175.75,149.55 v1(175.7,149.5)
  Bottom w0.2: v1(175.7,149.5) 178.1,147.1 178.1,145.85 v1(180.82,143.14)
Board_1-/LED_B: length 31.1
  Top w0.2: U1.16 175.53,146.11 174.75,146.89 174.75,147.7 173.5,148.95 173.5,161.18 181.78,169.45 D3.2
  Top w0.3: 88.82,172.45 89.05,172.23 89.05,170.95
Board_1-/LNA_IN: length 4
  Top w0.3: U1.1 176,138.26 176,137.95
  Top w0.8: 178.2,135.86 178.15,135.86 177.4,136.6 176.8,137.2
  Top w1: 176.3,137.65 176,137.95
  Top w1.5: 176.3,137.65 176.75,137.2
Board_1-/MTCK: length 17.8
  Top w0.25: U1.12 177.71,144.03 177.71,144.5 180.6,147.39 180.6,156.34 182.04,157.78 183.25,157.78
Board_1-/MTDI: length 41.9
  Top w0.2: 173.84,147.36 174.25,146.95 174.25,144.96 174.54,144.68 174.54,144.6 175.22,143.92
  Top w0.25: U1.10 178.29,143.2 179.25,143.2 181.05,145 181.05,153.04 183.25,155.24
  Top w0.3: 176.77,142.37 177.25,141.89 177.25,141.52 174.54,138.81 174.54,138.74 ; 176.77,142.37 175.22,143.92 ; 176.77,142.37 176.77,142.39 177.29,142.91 178.66,144.28 178.66,144.36 ; 174.54,138.74 173.34,137.54 172.84,137.54 ; 174.54,138.74 174.18,139.09
  Top w0.4: v1(174.96,139.44) 174.54,139.02 174.54,138.74 ; v1(179.16,140.2) 179.25,140.2 179.91,140.86 180.66,140.11 181.23,139.54 181.59,139.54 ; 173.59,136.79 172.84,137.54
  Bottom w0.4: v1(179.16,140.2) 179.05,140.1 179.05,140.07 178.42,139.44 v1(174.96,139.44)
Board_1-/MTDO: length 20.4
  Top w0.25: 183.25,160.32 181.62,160.32 179.7,158.4 179.7,147.13 177.26,144.68 177.26,144.29 U1.13
Board_1-/MTMS: length 14
  Top w0.25: 183.25,152.7 182,152.7 181.5,152.2 181.5,144.7 179.5,142.7 178.5,142.7 U1.9
Board_1-/U0RXD: length 33.7
  Top w0.2: v1(175.25,148.2) 177.25,150.2 177.25,161.2 181.45,165.4 183.25,165.4 ; U1.27 172.38,140.11 171.03,140.11 v1(170.82,140.33)
  Bottom w0.2: v1(175.25,148.2) 170.94,143.89 170.94,140.2 v1(170.82,140.33)
Board_1-/U0TXD: length 32.6
  Top w0.2: v1(175.35,147.14) 178.5,150.29 178.5,159.45 181.91,162.86 183.25,162.86 ; v1(170.46,139.61) 172.58,139.61 U1.28
  Bottom w0.2: v1(170.46,139.61) 171.16,139.61 171.5,139.95 171.5,143.29 v1(175.35,147.14)
Board_1-/USB_DN: length 9.5
  Top w0.25: 163.14,141.4 164.19,141.4 164.74,141.95 168.25,141.95 168.75,141.45 171.82,141.45 U1.25
Board_1-/USB_DP: length 10.4
  Top w0.25: U1.26 172.38,140.89 172.03,140.54 171.71,140.54 171.29,140.95 168.5,140.95 168.25,141.2 166,141.2 164.3,139.5 163.14,139.5
Board_1-/XTAL_N: length 14.8
  Top w0.2: U1.29 172.63,138.95 172.28,138.95 172.25,138.98 171.9,138.98 171.87,138.95 169.5,138.95 169,139.45 166.33,139.45 165.25,138.37
  Top w0.3: 165.25,138.37 165.25,135.7 165.6,135.35 166.4,135.35 166.4,134.35 166.69,134.06 166.69,133.85
Board_1-/XTAL_P: length 2.2
  Top w0.2: U1.30 172.7,138.31 172.11,138.31
Board_1-GND: length 19.8
  Top w0.25: 88.25,152.7 87,152.7 86.5,152.2 86.5,144.7 84.5,142.7 83.5,142.7 83,142.2 ; v1(147.5,131.7) 147.24,131.44 R1.1
  Top w0.3: C16.2 v1(170,143.2)
  Top w0.4: R8.2 v1(182.29,173.95) ; C1.2 v1(179.25,137.45)
  Top w0.6: 2.4GHz.2 v1(182,134.2)
  vias: v1(174,141.7) v1(175,142.7) v1(176,141.7)
Board_1-Net-(AE1-FEED): length 2.2
  Top w0.8: 179.9,133.3 179.85,133.3 179.85,134.3 179.1,135.05 179,135.05
Board_1-Net-(C1-Pad1): length 19.6
  Top w0.25: 68.14,139.5 69.3,139.5 71,141.2 73.25,141.2 73.5,140.95 76.29,140.95 76.71,140.54 77.03,140.54 77.38,140.89 77.41,140.86
  Top w0.3: 176.89,138.79 C1.1 ; 176.89,138.79 U1.3 U1.2 ; 176.89,138.79 179.22,136.45 179.75,136.45 180.91,137.61 L1#2.2
Board_1-Net-(D1-K): length 22
  Top w0.25: 88.25,160.32 86.62,160.32 84.7,158.4 84.7,147.13 82.26,144.68 82.26,144.29 81.59,143.62
  Top w0.3: R8.1 184.05,175.19 183.79,175.45
